# Altium PCB spin5v1_simple.PcbDoc (part 5 of 25)
Units mm, origin at the board's own origin, x right, y up, seen from the top; angles counter-clockwise.
Board outline 220.03 x 233.43 mm, 2 copper layers (TOP, BOTTOM), stack 0.176 mm thick; 1457 components, 4724 nets, 19245 pads, 25289 vias.
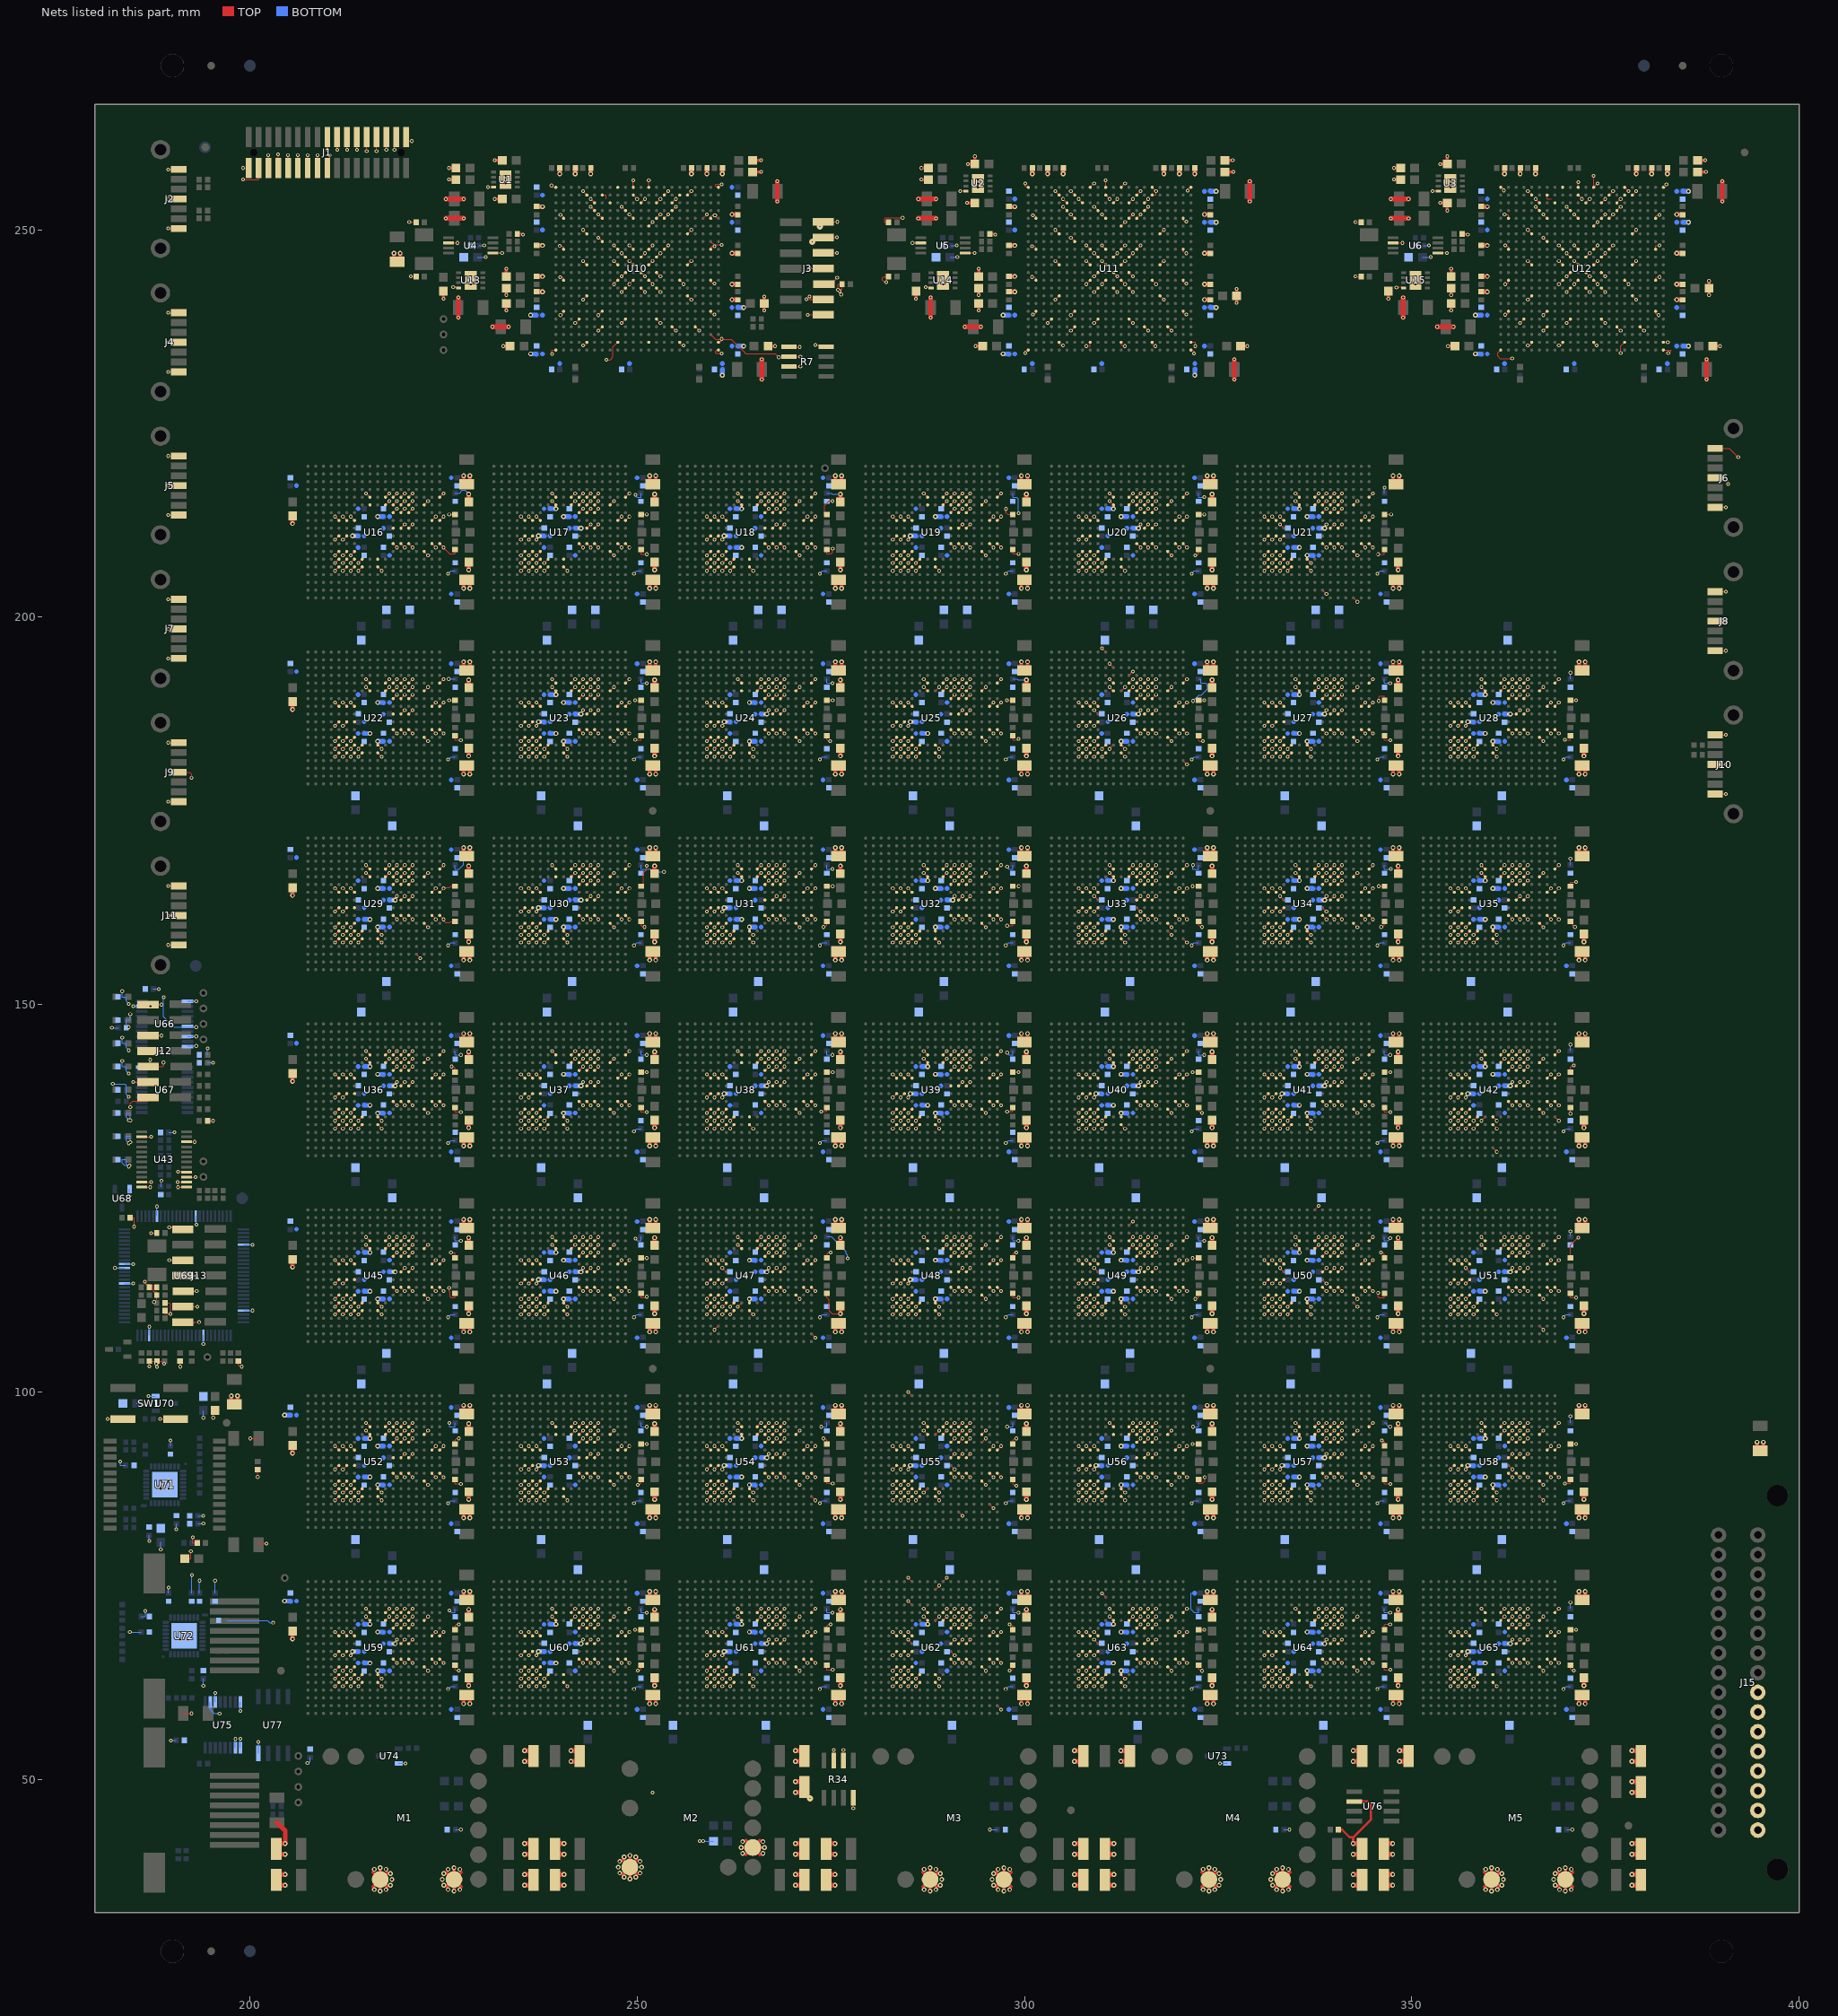
[diagram p5: the nets of this part, all layers, seen from the top]

## Via types
v1: diameter 0.48, hole 0.25, TOP to BOTTOM, 22348 vias
v2: diameter 0.61, hole 0.3, TOP to BOTTOM, 2059 vias
v3: diameter 0.8, hole 0, TOP to BOTTOM, 882 vias

## Nets (pads, with @x,y where several pads share a name; then routed paths per layer and width w, separated by ;. In a path a pad name is that pad's centre, name@x,y a point inside that pad or via, vN(x,y) a via of type N, cw(c..) or ccw(c..) an arc to the next point about the centre after c; other vN are vias at no path point) (continued)
GND: (continued)
  BOTTOM w0.127: v1(182.176,147) 182.97,147 ; v1(182.304,139.767) 183.831,139.767 184.03,139.568 184.03,139 ; v1(182.586,116) U69.15@183.8,116 ; v1(183.258,91) 183.258,90.5 183.97,90.5 ; v1(183.504,142.727) 183.504,142 184.03,142 ; v1(183.504,145.727) 183.504,145 184.03,145 ; v1(183.504,151.727) 183.504,151 184.03,151 ; U69.11@183.8,114 v1(184.917,114) ; U69.16@183.8,116.5 v1(184.917,116.5) ; 184.03,130 183.504,130 183.504,129.551 183.822,129.233 v1(184.45,129.233) ; 184.03,133 184.556,133 v1(184.556,132.233) ; 184.03,136 184.556,136 v1(184.556,135.048) ; 184.03,148 184.556,148 v1(184.556,148.767) ; v1(184.45,125.298) U68.2@184.45,126.19 ; v1(184.497,69) 185.97,69 ; v1(184.933,149.78) U66.19@186.05,149.78 ; 185.4,98.5 v1(186.342,98.5) ; 185.97,71 186.496,71 v1(186.496,71.727) ; U67.10@186.05,141.92 187.017,141.92 187.117,142.02 v1(187.117,142.867) ; v1(186.918,99.45) U70.2@187.81,99.45 ; v1(187,80.758) 187,81.47 ; U69.97@187,107.3 v1(187,108.417) ; 187.53,152 v1(188.242,152) ; U69.31@188,122.7 v1(188,123.931) ; v1(188.5,79.658) 188.5,80.6 ; 188.5,126.53 188.574,126.53 v1(188.574,127.242) ; 189.5,74.03 v1(189.5,74.742) ; 189.53,133.5 v1(190.242,133.5) ; 189.75,93.03 v1(189.75,93.732) ; v1(189.792,55) 190.47,55 ; v1(190.5,82.258) 190.5,82.97 ; U66.10@191.95,144.58 191.95,144.658 v1(193.067,144.658) ; U66.8@191.95,145.88 191.95,145.9 v1(193.067,145.9) ; U66.6@191.95,147.18 191.95,147.1 v1(193.067,147.1) ; U66.1@191.95,150.43 v1(193.067,150.43) ; 192.5,74.03 v1(192.5,76.36) ; U69.41@193,122.7 193.082,122.7 v1(193.082,121.583) ; 193.28,83 v1(193.992,83) ; 193.28,84 v1(193.982,84) ; 193.5,74.03 v1(193.5,75.635) ; v1(194,62.063) 194,62.97 ; v1(194,96.658) 194,97.6 ; v1(194,106.183) U69.83@194,107.3 ; 194.53,142.5 v1(195.232,142.5) ; 194.53,143.5 v1(194.53,144.341) ; U75.2@194.87,59.95 194.87,59.009 195.409,58.47 v1(196.081,58.47) ; 195.5,74.03 v1(195.5,75.635) ; U75.3@195.52,59.95 v1(195.52,61.114) ; 197.03,70.5 202.266,70.5 202.566,70.2 v1(202.997,70.2) ; U75.10@198.12,54.05 v1(198.12,55.199) ; U75.9@198.77,54.05 v1(198.77,55.204) ; v1(198.77,58.799) U75.8@198.77,59.95 ; U69.72@199.2,110.5 v1(200.317,110.5) ; U69.55@199.2,119 v1(200.317,119) ; U77.4@201.09,53.34 v1(201.09,54.807) ; v1(207.421,52.099) 207.599,52.099 207.781,52.281 207.781,52.817 ; U74.2@219.19,52.05 v1(220.082,52.05) ; v1(225.671,192.03) 226.5,192.03 ; v1(225.773,71.8) 225.773,71.744 226.013,71.504 226.5,71.504 226.5,72.03 ; v1(225.773,96) 225.773,95.504 226.5,95.504 226.5,96.03 ; 226.5,120.03 226.5,119.504 v1(227.227,119.504) ; 226.5,144.03 226.5,143.504 v1(227.227,143.504) ; 226.5,168.03 226.5,167.504 227.028,167.504 227.6,168.076 v2(227.6,170.257) ; 226.5,216.03 227.051,216.03 227.424,216.403 227.754,216.403 v2(228.25,215.907) ; 226.53,43.5 v1(227.232,43.5) ; 229.4,246.5 v1(230.456,246.5) ; 229.53,248 v1(230.242,248) ; v1(249.773,119.8) 249.773,119.744 250.013,119.504 250.5,119.504 250.5,120.03 ; v1(249.773,215.8) 249.773,215.744 250.013,215.504 250.5,215.504 250.5,216.03 ; 250.5,72.03 250.5,71.504 v1(251.227,71.504) ; 250.5,96.03 250.5,95.504 v1(251.227,95.504) ; 250.5,144.03 250.5,143.504 v1(251.227,143.504) ; 250.5,168.03 250.5,167.496 251.743,167.496 252.101,167.138 v1(253.465,167.138) ; 250.5,192.03 250.5,191.504 v1(251.227,191.504) ; v1(258.069,42) R202.1@259.85,42 ; v1(273.773,95.504) 274.5,95.504 274.5,96.03 ; 274.5,72.03 274.5,71.504 v1(275.227,71.504) ; 274.5,120.03 275.064,120.03 275.699,119.395 275.699,119.379 277,118.078 277,117.857 277.167,117.69 v1(277.167,117.259) ; 274.5,144.03 274.5,143.504 v1(275.227,143.504) ; 274.5,168.03 274.5,167.504 v1(275.227,167.504) ; 274.5,192.03 274.5,191.504 v1(275.227,191.504) ; 274.5,216.03 275.051,216.03 275.174,215.907 v2(276.25,215.907) ; 290.4,246.5 290.4,246.483 v1(291.342,246.483) ; 290.53,248 v1(291.242,248) ; v1(295.529,43.5) 296.47,43.5 ; v1(297.773,95.504) 298.5,95.504 298.5,96.03 ; v1(297.773,143.8) 297.773,143.744 298.013,143.504 298.5,143.504 298.5,144.03 ; v1(297.773,167.8) 297.773,167.744 298.013,167.504 298.5,167.504 298.5,168.03 ; 298.5,72.03 298.5,71.504 v1(299.227,71.504) ; 298.5,120.03 298.5,119.504 v1(299.227,119.504) ; 298.5,192.03 299.051,192.03 299.174,191.907 v2(300.25,191.907) ; 298.5,216.03 298.5,215.496 298.984,215.496 299.238,215.242 v1(299.238,213.449) ; v1(321.763,189.2) 322.528,189.965 322.864,189.965 323.658,190.759 323.658,191.178 323.34,191.496 322.796,191.496 322.796,192.03 322.5,192.03 ; v1(321.773,95.504) 322.5,95.504 322.5,96.03 ; v1(321.773,168) 321.773,167.504 322.5,167.504 322.5,168.03 ; 321.988,74 321.492,74 321.492,71.949 321.937,71.504 322.5,71.504 322.5,72.03 ; 322.5,120.03 322.5,119.504 v1(323.227,119.504) ; 322.5,144.03 322.5,143.504 v1(323.227,143.504) ; 322.5,216.03 322.5,215.504 v1(323.227,215.504) ; v1(325.26,52.05) U73.2@326.19,52.05 ; 333.53,43.5 v1(334.232,43.5) ; 346.5,72.03 346.5,71.504 v1(347.227,71.504) ; 346.5,96.03 346.796,96.03 346.796,95.744 347.036,95.504 v1(347.227,95.504) ; 346.5,120.03 346.5,119.504 346.987,119.504 347.227,119.744 v1(347.227,119.842) ; 346.5,144.03 346.5,143.504 v1(347.227,143.504) ; 346.5,168.03 346.5,167.504 v1(347.3,167.504) ; 346.5,192.03 346.5,191.504 v1(347.227,191.504) ; 346.5,216.03 v1(346.5,216.732) ; 351.4,246.5 v1(352.456,246.5) ; 351.53,248 v1(352.242,248) ; 370.03,43.5 v1(370.732,43.5) ; 370.5,72.03 v1(370.5,72.846) ; 370.5,96.03 v1(370.5,96.846) ; 370.5,120.03 v1(370.5,120.732) ; 370.5,144.03 v1(370.5,144.846) ; 370.5,168.03 v1(370.5,168.846) ; 370.5,192.03 v1(370.5,192.846)
  BOTTOM w0.61: 206.01,73 206.012,73 ; 206.01,97 206.012,97 ; 206.01,121 206.012,121 ; 206.01,145 206.012,145 ; 206.01,169 206.012,169 ; 206.01,193 206.012,193 ; 206.01,217 206.012,217 ; 213.988,65 213.99,65 ; 213.988,70 213.99,70 ; 213.988,89 213.99,89 ; 213.988,94 213.99,94 ; 213.988,113 213.99,113 ; 213.988,118 213.99,118 ; 213.988,137 213.99,137 ; 213.988,142 213.99,142 ; 213.988,161 213.99,161 ; 213.988,166 213.99,166 ; 213.988,185 213.99,185 ; 213.988,190 213.99,190 ; 213.988,209 213.99,209 ; 213.988,214 213.99,214 ; 214.76,66.5 214.762,66.5 ; 214.76,90.5 214.762,90.5 ; 214.76,114.5 214.762,114.5 ; 214.76,138.5 214.762,138.5 ; 214.76,162.5 214.762,162.5 ; 214.76,186.5 214.762,186.5 ; 214.76,210.5 214.762,210.5 ; 217.238,67.5 217.24,67.5 ; 217.238,91.5 217.24,91.5 ; 217.238,115.5 217.24,115.5 ; 217.238,139.5 217.24,139.5 ; 217.238,163.5 217.24,163.5 ; 217.238,187.5 217.24,187.5 ; 217.238,211.5 217.24,211.5 ; 218.01,64 218.012,64 ; 218.01,69 218.012,69 ; 218.01,88 218.012,88 ; 218.01,93 218.012,93 ; 218.01,112 218.012,112 ; 218.01,117 218.012,117 ; 218.01,136 218.012,136 ; 218.01,141 218.012,141 ; 218.01,160 218.012,160 ; 218.01,165 218.012,165 ; 218.01,184 218.012,184 ; 218.01,189 218.012,189 ; 218.01,208 218.012,208 ; 218.01,213 218.012,213 ; 225.988,59 225.99,59 ; 225.988,74 225.99,74 ; 225.988,83 225.99,83 ; 225.988,98 225.99,98 ; 225.988,107 225.99,107 ; 225.988,122 225.99,122 ; 225.988,131 225.99,131 ; 225.988,146 225.99,146 ; 225.988,155 225.99,155 ; 225.988,170 225.99,170 ; 225.988,179 225.99,179 ; 225.988,194 225.99,194 ; 225.988,203 225.99,203 ; 225.988,218 225.99,218 ; 237.76,234 237.762,234 ; 237.76,239 237.762,239 ; 237.76,250 237.762,250 ; 237.76,254.5 237.762,254.5 ; 237.988,65 237.99,65 ; 237.988,70 237.99,70 ; 237.988,89 237.99,89 ; 237.988,94 237.99,94 ; 237.988,113 237.99,113 ; 237.988,118 237.99,118 ; 237.988,137 237.99,137 ; 237.988,142 237.99,142 ; 237.988,161 237.99,161 ; 237.988,166 237.99,166 ; 237.988,185 237.99,185 ; 237.988,190 237.99,190 ; 237.988,209 237.99,209 ; 237.988,214 237.99,214 ; 238.76,66.5 238.762,66.5 ; 238.76,90.5 238.762,90.5 ; 238.76,114.5 238.762,114.5 ; 238.76,138.5 238.762,138.5 ; 238.76,162.5 238.762,162.5 ; 238.76,186.5 238.762,186.5 ; 238.76,210.5 238.762,210.5 ; 240,232.76 240,232.762 ; 241.238,67.5 241.24,67.5 ; 241.238,91.5 241.24,91.5 ; 241.238,115.5 241.24,115.5 ; 241.238,139.5 241.24,139.5 ; 241.238,163.5 241.24,163.5 ; 241.238,187.5 241.24,187.5 ; 241.238,211.5 241.24,211.5 ; 242.01,64 242.012,64 ; 242.01,69 242.012,69 ; 242.01,88 242.012,88 ; 242.01,93 242.012,93 ; 242.01,112 242.012,112 ; 242.01,117 242.012,117 ; 242.01,136 242.012,136 ; 242.01,141 242.012,141 ; 242.01,160 242.012,160 ; 242.01,165 242.012,165 ; 242.01,184 242.012,184 ; 242.01,189 242.012,189 ; 242.01,208 242.012,208 ; 242.01,213 242.012,213 ; 249,232.76 249,232.762 ; 249.988,59 249.99,59 ; 249.988,74 249.99,74 ; 249.988,83 249.99,83 ; 249.988,98 249.99,98 ; 249.988,107 249.99,107 ; 249.988,122 249.99,122 ; 249.988,131 249.99,131 ; 249.988,146 249.99,146 ; 249.988,155 249.99,155 ; 249.988,170 249.99,170 ; 249.988,179 249.99,179 ; 249.988,194 249.99,194 ; 249.988,203 249.99,203 ; 249.988,218 249.99,218 ; 261,232.76 261,232.762 ; 261.988,65 261.99,65 ; 261.988,70 261.99,70 ; 261.988,89 261.99,89 ; 261.988,94 261.99,94 ; 261.988,113 261.99,113 ; 261.988,118 261.99,118 ; 261.988,137 261.99,137 ; 261.988,142 261.99,142 ; 261.988,161 261.99,161 ; 261.988,166 261.99,166 ; 261.988,185 261.99,185 ; 261.988,190 261.99,190 ; 261.988,209 261.99,209 ; 261.988,214 261.99,214 ; 262.238,235 262.24,235 ; 262.238,240 262.24,240 ; 262.238,251 262.24,251 ; 262.238,255.5 262.24,255.5 ; 262.76,66.5 262.762,66.5 ; 262.76,90.5 262.762,90.5 ; 262.76,114.5 262.762,114.5 ; 262.76,138.5 262.762,138.5 ; 262.76,162.5 262.762,162.5 ; 262.76,186.5 262.762,186.5 ; 262.76,210.5 262.762,210.5 ; 265.238,67.5 265.24,67.5 ; 265.238,91.5 265.24,91.5 ; 265.238,115.5 265.24,115.5 ; 265.238,139.5 265.24,139.5 ; 265.238,163.5 265.24,163.5 ; 265.238,187.5 265.24,187.5 ; 265.238,211.5 265.24,211.5 ; 266.01,64 266.012,64 ; 266.01,69 266.012,69 ; 266.01,88 266.012,88 ; 266.01,93 266.012,93 ; 266.01,112 266.012,112 ; 266.01,117 266.012,117 ; 266.01,136 266.012,136 ; 266.01,141 266.012,141 ; 266.01,160 266.012,160 ; 266.01,165 266.012,165 ; 266.01,184 266.012,184 ; 266.01,189 266.012,189 ; 266.01,208 266.012,208 ; 266.01,213 266.012,213 ; 273.988,59 273.99,59 ; 273.988,74 273.99,74 ; 273.988,83 273.99,83 ; 273.988,98 273.99,98 ; 273.988,107 273.99,107 ; 273.988,122 273.99,122 ; 273.988,131 273.99,131 ; 273.988,146 273.99,146 ; 273.988,155 273.99,155 ; 273.988,170 273.99,170 ; 273.988,179 273.99,179 ; 273.988,194 273.99,194 ; 273.988,203 273.99,203 ; 273.988,218 273.99,218 ; 285.988,65 285.99,65 ; 285.988,70 285.99,70 ; 285.988,89 285.99,89 ; 285.988,94 285.99,94 ; 285.988,113 285.99,113 ; 285.988,118 285.99,118 ; 285.988,137 285.99,137 ; 285.988,142 285.99,142 ; 285.988,161 285.99,161 ; 285.988,166 285.99,166 ; 285.988,185 285.99,185 ; 285.988,190 285.99,190 ; 285.988,209 285.99,209 ; 285.988,214 285.99,214 ; 286.76,66.5 286.762,66.5 ; 286.76,90.5 286.762,90.5 ; 286.76,114.5 286.762,114.5 ; 286.76,138.5 286.762,138.5 ; 286.76,162.5 286.762,162.5 ; 286.76,186.5 286.762,186.5 ; 286.76,210.5 286.762,210.5 ; 289.238,67.5 289.24,67.5 ; 289.238,91.5 289.24,91.5 ; 289.238,115.5 289.24,115.5 ; 289.238,139.5 289.24,139.5 ; 289.238,163.5 289.24,163.5 ; 289.238,187.5 289.24,187.5 ; 289.238,211.5 289.24,211.5 ; 290.01,64 290.012,64 ; 290.01,69 290.012,69 ; 290.01,88 290.012,88 ; 290.01,93 290.012,93 ; 290.01,112 290.012,112 ; 290.01,117 290.012,117 ; 290.01,136 290.012,136 ; 290.01,141 290.012,141 ; 290.01,160 290.012,160 ; 290.01,165 290.012,165 ; 290.01,184 290.012,184 ; 290.01,189 290.012,189 ; 290.01,208 290.012,208 ; 290.01,213 290.012,213 ; 297.988,59 297.99,59 ; 297.988,74 297.99,74 ; 297.988,83 297.99,83 ; 297.988,98 297.99,98 ; 297.988,107 297.99,107 ; 297.988,122 297.99,122 ; 297.988,131 297.99,131 ; 297.988,146 297.99,146 ; 297.988,155 297.99,155 ; 297.988,170 297.99,170 ; 297.988,179 297.99,179 ; 297.988,194 297.99,194 ; 297.988,203 297.99,203 ; 297.988,218 297.99,218 ; 298.76,234 298.762,234 ; 298.76,239 298.762,239 ; 298.76,250 298.762,250 ; 298.76,254 298.762,254 ; 301,232.76 301,232.762 ; 309.988,65 309.99,65 ; 309.988,70 309.99,70 ; 309.988,89 309.99,89 ; 309.988,94 309.99,94 ; 309.988,113 309.99,113 ; 309.988,118 309.99,118 ; 309.988,137 309.99,137 ; 309.988,142 309.99,142 ; 309.988,161 309.99,161 ; 309.988,166 309.99,166 ; 309.988,185 309.99,185 ; 309.988,190 309.99,190 ; 309.988,209 309.99,209 ; 309.988,214 309.99,214 ; 310,232.76 310,232.762 ; 310.76,66.5 310.762,66.5 ; 310.76,90.5 310.762,90.5 ; 310.76,114.5 310.762,114.5 ; 310.76,138.5 310.762,138.5 ; 310.76,162.5 310.762,162.5 ; 310.76,186.5 310.762,186.5 ; 310.76,210.5 310.762,210.5 ; 313.238,67.5 313.24,67.5 ; 313.238,91.5 313.24,91.5 ; 313.238,115.5 313.24,115.5 ; 313.238,139.5 313.24,139.5 ; 313.238,163.5 313.24,163.5 ; 313.238,187.5 313.24,187.5 ; 313.238,211.5 313.24,211.5 ; 314.01,64 314.012,64 ; 314.01,69 314.012,69 ; 314.01,88 314.012,88 ; 314.01,93 314.012,93 ; 314.01,112 314.012,112 ; 314.01,117 314.012,117 ; 314.01,136 314.012,136 ; 314.01,141 314.012,141 ; 314.01,160 314.012,160 ; 314.01,165 314.012,165 ; 314.01,184 314.012,184 ; 314.01,189 314.012,189 ; 314.01,208 314.012,208 ; 314.01,213 314.012,213 ; 321.988,59 321.99,59 ; 321.988,74 321.99,74 ; 321.988,83 321.99,83 ; 321.988,98 321.99,98 ; 321.988,107 321.99,107 ; 321.988,122 321.99,122 ; 321.988,131 321.99,131 ; 321.988,146 321.99,146 ; 321.988,155 321.99,155 ; 321.988,170 321.99,170 ; 321.988,179 321.99,179 ; 321.988,194 321.99,194 ; 321.988,203 321.99,203 ; 321.988,218 321.99,218 ; 322,232.76 322,232.762 ; 323.238,235 323.24,235 ; 323.238,240 323.24,240 ; 323.238,251 323.24,251 ; 323.238,255 323.24,255 ; 333.988,65 333.99,65 ; 333.988,70 333.99,70 ; 333.988,89 333.99,89 ; 333.988,94 333.99,94 ; 333.988,113 333.99,113 ; 333.988,118 333.99,118 ; 333.988,137 333.99,137 ; 333.988,142 333.99,142 ; 333.988,161 333.99,161 ; 333.988,166 333.99,166 ; 333.988,185 333.99,185 ; 333.988,190 333.99,190 ; 333.988,209 333.99,209 ; 333.988,214 333.99,214 ; 334.76,66.5 334.762,66.5 ; 334.76,90.5 334.762,90.5 ; 334.76,114.5 334.762,114.5 ; 334.76,138.5 334.762,138.5 ; 334.76,162.5 334.762,162.5 ; 334.76,186.5 334.762,186.5 ; 334.76,210.5 334.762,210.5 ; 337.238,67.5 337.24,67.5 ; 337.238,91.5 337.24,91.5 ; 337.238,115.5 337.24,115.5 ; 337.238,139.5 337.24,139.5 ; 337.238,163.5 337.24,163.5 ; 337.238,187.5 337.24,187.5 ; 337.238,211.5 337.24,211.5 ; 338.01,64 338.012,64 ; 338.01,69 338.012,69 ; 338.01,88 338.012,88 ; 338.01,93 338.012,93 ; 338.01,112 338.012,112 ; 338.01,117 338.012,117 ; 338.01,136 338.012,136 ; 338.01,141 338.012,141 ; 338.01,160 338.012,160 ; 338.01,165 338.012,165 ; 338.01,184 338.012,184 ; 338.01,189 338.012,189 ; 338.01,208 338.012,208 ; 338.01,213 338.012,213 ; 345.988,59 345.99,59 ; 345.988,74 345.99,74 ; 345.988,83 345.99,83 ; 345.988,98 345.99,98 ; 345.988,107 345.99,107 ; 345.988,122 345.99,122 ; 345.988,131 345.99,131 ; 345.988,146 345.99,146 ; 345.988,155 345.99,155 ; 345.988,170 345.99,170 ; 345.988,179 345.99,179 ; 345.988,194 345.99,194 ; 345.988,203 345.99,203 ; 357.988,65 357.99,65 ; 357.988,70 357.99,70 ; 357.988,89 357.99,89 ; 357.988,94 357.99,94 ; 357.988,113 357.99,113 ; 357.988,118 357.99,118 ; 357.988,137 357.99,137 ; 357.988,142 357.99,142 ; 357.988,161 357.99,161 ; 357.988,166 357.99,166 ; 357.988,185 357.99,185 ; 357.988,190 357.99,190 ; 358.76,66.5 358.762,66.5 ; 358.76,90.5 358.762,90.5 ; 358.76,114.5 358.762,114.5 ; 358.76,138.5 358.762,138.5 ; 358.76,162.5 358.762,162.5 ; 358.76,186.5 358.762,186.5 ; 359.76,234 359.762,234 ; 359.76,239 359.762,239 ; 359.76,250 359.762,250 ; 359.76,254 359.762,254 ; 361.238,67.5 361.24,67.5 ; 361.238,91.5 361.24,91.5 ; 361.238,115.5 361.24,115.5 ; 361.238,139.5 361.24,139.5 ; 361.238,163.5 361.24,163.5 ; 361.238,187.5 361.24,187.5 ; 362,232.76 362,232.762 ; 362.01,64 362.012,64 ; 362.01,69 362.012,69 ; 362.01,88 362.012,88 ; 362.01,93 362.012,93 ; 362.01,112 362.012,112 ; 362.01,117 362.012,117 ; 362.01,136 362.012,136 ; 362.01,141 362.012,141 ; 362.01,160 362.012,160 ; 362.01,165 362.012,165 ; 362.01,184 362.012,184 ; 362.01,189 362.012,189 ; 369.988,59 369.99,59 ; 369.988,83 369.99,83 ; 369.988,107 369.99,107 ; 369.988,131 369.99,131 ; 369.988,155 369.99,155 ; 369.988,179 369.99,179 ; 371,232.76 371,232.762 ; 383,232.76 383,232.762 ; 384.238,235 384.24,235 ; 384.238,240 384.24,240 ; 384.238,251 384.24,251 ; 384.238,255 384.24,255

## Text inside footprints (layer, text, board x,y; h text height)
U33: PIN_NUMBER "J17" at 319.166,163.5 h0.24; PIN_NUMBER "J18" at 320.166,163.5 h0.24; PIN_NUMBER "M17" at 319.166,160.5 h0.24; PIN_NUMBER "M18" at 320.166,160.5 h0.24; PIN_NUMBER "C16" at 318.166,169.5 h0.24; PIN_NUMBER "G17" at 319.166,165.5 h0.24; PIN_NUMBER "B18" at 320.166,170.5 h0.24; PIN_NUMBER "G16" at 318.166,165.5 h0.24; PIN_NUMBER "J16" at 318.166,163.5 h0.24; PIN_NUMBER "C17" at 319.166,169.5 h0.24; PIN_NUMBER "C18" at 320.166,169.5 h0.24; PIN_NUMBER "D16" at 318.166,168.5 h0.24; PIN_NUMBER "K15" at 317.166,162.5 h0.24; PIN_NUMBER "K16" at 318.166,162.5 h0.24; PIN_NUMBER "E18" at 320.166,167.5 h0.24; PIN_NUMBER "F16" at 318.166,166.5 h0.24; PIN_NUMBER "M16" at 318.166,160.5 h0.24; PIN_NUMBER "P14" at 316.166,158.5 h0.24; PIN_NUMBER "N13" at 315.166,159.5 h0.24; PIN_NUMBER "N14" at 316.166,159.5 h0.24; PIN_NUMBER "M12" at 314.166,160.5 h0.24; PIN_NUMBER "M13" at 315.166,160.5 h0.24; PIN_NUMBER "M14" at 316.166,160.5 h0.24; PIN_NUMBER "H12" at 314.166,164.5 h0.24; PIN_NUMBER "H13" at 315.166,164.5 h0.24; PIN_NUMBER "H14" at 316.166,164.5 h0.24; PIN_NUMBER "E6" at 307.854,167.5 h0.24; PIN_NUMBER "E7" at 308.854,167.5 h0.24; PIN_NUMBER "F7" at 308.854,166.5 h0.24; PIN_NUMBER "E8" at 309.854,167.5 h0.24; PIN_NUMBER "F8" at 309.854,166.5 h0.24; PIN_NUMBER "L5" at 306.854,161.5 h0.24; PIN_NUMBER "L6" at 307.854,161.5 h0.24; PIN_NUMBER "L7" at 308.854,161.5 h0.24; PIN_NUMBER "G7" at 308.854,165.5 h0.24; PIN_NUMBER "G5" at 306.854,165.5 h0.24; PIN_NUMBER "G6" at 307.854,165.5 h0.24; PIN_NUMBER "F5" at 306.854,166.5 h0.24; PIN_NUMBER "F6" at 307.854,166.5 h0.24; PIN_NUMBER "E5" at 306.854,167.5 h0.24; PIN_NUMBER "P11" at 313.166,158.5 h0.24; PIN_NUMBER "N11" at 313.166,159.5 h0.24; PIN_NUMBER "P12" at 314.166,158.5 h0.24; PIN_NUMBER "N12" at 314.166,159.5 h0.24; PIN_NUMBER "P13" at 315.166,158.5 h0.24; PIN_NUMBER "K12" at 314.166,162.5 h0.24; PIN_NUMBER "K13" at 315.166,162.5 h0.24; PIN_NUMBER "K14" at 316.166,162.5 h0.24; PIN_NUMBER "E10" at 311.936,167.5 h0.24; PIN_NUMBER "F10" at 311.936,166.5 h0.24; PIN_NUMBER "J5" at 306.854,163.5 h0.24; PIN_NUMBER "J6" at 307.854,163.5 h0.24; PIN_NUMBER "J7" at 308.854,163.5 h0.24; PIN_NUMBER "N9" at 310.854,159.5 h0.24; PIN_NUMBER "P9" at 310.854,158.5 h0.24; PIN_NUMBER "C13" at 315.166,169.5 h0.24; PIN_NUMBER "B13" at 315.166,170.5 h0.24; PIN_NUMBER "A13" at 315.166,171.5 h0.24; PIN_NUMBER "D14" at 316.166,168.5 h0.24; PIN_NUMBER "C14" at 316.166,169.5 h0.24; PIN_NUMBER "B14" at 316.166,170.5 h0.24; PIN_NUMBER "A14" at 316.166,171.5 h0.24; PIN_NUMBER "K17" at 319.166,162.5 h0.24; PIN_NUMBER "K18" at 320.166,162.5 h0.24; PIN_NUMBER "L15" at 317.166,161.5 h0.24; PIN_NUMBER "L16" at 318.166,161.5 h0.24; PIN_NUMBER "V6" at 307.854,154.5 h0.24; PIN_NUMBER "R7" at 308.854,157.5 h0.24; PIN_NUMBER "T5" at 306.854,156.5 h0.24; PIN_NUMBER "U5" at 306.854,155.5 h0.24; PIN_NUMBER "V5" at 306.854,154.5 h0.24; PIN_NUMBER "T4" at 305.854,156.5 h0.24; PIN_NUMBER "U4" at 305.854,155.5 h0.24; PIN_NUMBER "V4" at 305.854,154.5 h0.24; PIN_NUMBER "V3" at 304.854,154.5 h0.24; PIN_NUMBER "T7" at 308.854,156.5 h0.24; PIN_NUMBER "U7" at 308.854,155.5 h0.24; PIN_NUMBER "V7" at 308.854,154.5 h0.24; PIN_NUMBER "R6" at 307.854,157.5 h0.24; PIN_NUMBER "T6" at 307.854,156.5 h0.24; PIN_NUMBER "U6" at 307.854,155.5 h0.24; PIN_NUMBER "R5" at 306.854,157.5 h0.24; PIN_NUMBER "R17" at 319.166,157.5 h0.24; PIN_NUMBER "V18" at 320.166,154.5 h0.24; PIN_NUMBER "P18" at 320.166,158.5 h0.24; PIN_NUMBER "P17" at 319.166,158.5 h0.24; PIN_NUMBER "P16" at 318.166,158.5 h0.24; PIN_NUMBER "N18" at 320.166,159.5 h0.24; PIN_NUMBER "N17" at 319.166,159.5 h0.24; PIN_NUMBER "N16" at 318.166,159.5 h0.24; PIN_NUMBER "N15" at 317.166,159.5 h0.24; PIN_NUMBER "U18" at 320.166,155.5 h0.24; PIN_NUMBER "U17" at 319.166,155.5 h0.24; PIN_NUMBER "T18" at 320.166,156.5 h0.24; PIN_NUMBER "T17" at 319.166,156.5 h0.24; PIN_NUMBER "T16" at 318.166,156.5 h0.24; PIN_NUMBER "R18" at 320.166,157.5 h0.24; PIN_NUMBER "R16" at 318.166,157.5 h0.24; PIN_NUMBER "V12" at 314.166,154.5 h0.24; PIN_NUMBER "R13" at 315.166,157.5 h0.24; PIN_NUMBER "T15" at 317.166,156.5 h0.24; PIN_NUMBER "U15" at 317.166,155.5 h0.24; PIN_NUMBER "V15" at 317.166,154.5 h0.24; PIN_NUMBER "R14" at 316.166,157.5 h0.24; PIN_NUMBER "T14" at 316.166,156.5 h0.24; PIN_NUMBER "U14" at 316.166,155.5 h0.24; PIN_NUMBER "V14" at 316.166,154.5 h0.24; PIN_NUMBER "T13" at 315.166,156.5 h0.24; PIN_NUMBER "U13" at 315.166,155.5 h0.24; PIN_NUMBER "V13" at 315.166,154.5 h0.24; PIN_NUMBER "R12" at 314.166,157.5 h0.24; PIN_NUMBER "T12" at 314.166,156.5 h0.24; PIN_NUMBER "U12" at 314.166,155.5 h0.24; PIN_NUMBER "V16" at 318.166,154.5 h0.24; PIN_NUMBER "V8" at 309.854,154.5 h0.24; PIN_NUMBER "R9" at 310.854,157.5 h0.24; PIN_NUMBER "T11" at 313.166,156.5 h0.24; PIN_NUMBER "U11" at 313.166,155.5 h0.24; PIN_NUMBER "V11" at 313.166,154.5 h0.24; PIN_NUMBER "R10" at 311.936,157.5 h0.24; PIN_NUMBER "T10" at 311.936,156.5 h0.24; PIN_NUMBER "U10" at 311.936,155.5 h0.24; PIN_NUMBER "V10" at 311.936,154.5 h0.24; PIN_NUMBER "T9" at 310.854,156.5 h0.24; PIN_NUMBER "U9" at 310.854,155.5 h0.24; PIN_NUMBER "V9" at 310.854,154.5 h0.24; PIN_NUMBER "R8" at 309.854,157.5 h0.24; PIN_NUMBER "T8" at 309.854,156.5 h0.24; PIN_NUMBER "U8" at 309.854,155.5 h0.24; PIN_NUMBER "R11" at 313.166,157.5 h0.24; PIN_NUMBER "A8" at 309.854,171.5 h0.24; PIN_NUMBER "D9" at 310.854,168.5 h0.24; PIN_NUMBER "C11" at 313.166,169.5 h0.24; PIN_NUMBER "B11" at 313.166,170.5 h0.24; PIN_NUMBER "A11" at 313.166,171.5 h0.24; PIN_NUMBER "D10" at 311.936,168.5 h0.24; PIN_NUMBER "C10" at 311.936,169.5 h0.24; PIN_NUMBER "B10" at 311.936,170.5 h0.24; PIN_NUMBER "A10" at 311.936,171.5 h0.24; PIN_NUMBER "C9" at 310.854,169.5 h0.24; PIN_NUMBER "B9" at 310.854,170.5 h0.24; PIN_NUMBER "A9" at 310.854,171.5 h0.24; PIN_NUMBER "D8" at 309.854,168.5 h0.24; PIN_NUMBER "C8" at 309.854,169.5 h0.24; PIN_NUMBER "B8" at 309.854,170.5 h0.24; PIN_NUMBER "D11" at 313.166,168.5 h0.24; PIN_NUMBER "A3" at 304.854,171.5 h0.24; PIN_NUMBER "D5" at 306.854,168.5 h0.24; PIN_NUMBER "C7" at 308.854,169.5 h0.24; PIN_NUMBER "B7" at 308.854,170.5 h0.24; PIN_NUMBER "A7" at 308.854,171.5 h0.24; PIN_NUMBER "D6" at 307.854,168.5 h0.24; PIN_NUMBER "C6" at 307.854,169.5 h0.24; PIN_NUMBER "B6" at 307.854,170.5 h0.24; PIN_NUMBER "A6" at 307.854,171.5 h0.24; PIN_NUMBER "C5" at 306.854,169.5 h0.24; PIN_NUMBER "B5" at 306.854,170.5 h0.24; PIN_NUMBER "A5" at 306.854,171.5 h0.24; PIN_NUMBER "C4" at 305.854,169.5 h0.24; PIN_NUMBER "B4" at 305.854,170.5 h0.24; PIN_NUMBER "A4" at 305.854,171.5 h0.24; PIN_NUMBER "D7" at 308.854,168.5 h0.24; PIN_NUMBER "C15" at 317.166,169.5 h0.24; PIN_NUMBER "B15" at 317.166,170.5 h0.24; PIN_NUMBER "A15" at 317.166,171.5 h0.24; PIN_NUMBER "B16" at 318.166,170.5 h0.24; PIN_NUMBER "A16" at 318.166,171.5 h0.24; PIN_NUMBER "A17" at 319.166,171.5 h0.24; PIN_NUMBER "A18" at 320.166,171.5 h0.24; PIN_NUMBER "B17" at 319.166,170.5 h0.24; PIN_NUMBER "H16" at 318.166,164.5 h0.24; PIN_NUMBER "H15" at 317.166,164.5 h0.24; PIN_NUMBER "B12" at 314.166,170.5 h0.24; PIN_NUMBER "C12" at 314.166,169.5 h0.24; PIN_NUMBER "A12" at 314.166,171.5 h0.24; PIN_NUMBER "D13" at 315.166,168.5 h0.24; PIN_NUMBER "F17" at 319.166,166.5 h0.24; PIN_NUMBER "F18" at 320.166,166.5 h0.24; PIN_NUMBER "D17" at 319.166,168.5 h0.24; PIN_NUMBER "D18" at 320.166,168.5 h0.24; PIN_NUMBER "E16" at 318.166,167.5 h0.24; PIN_NUMBER "E17" at 319.166,167.5 h0.24; PIN_NUMBER "L12" at 314.166,161.5 h0.24; PIN_NUMBER "L13" at 315.166,161.5 h0.24; PIN_NUMBER "L14" at 316.166,161.5 h0.24; PIN_NUMBER "L17" at 319.166,161.5 h0.24; PIN_NUMBER "L18" at 320.166,161.5 h0.24; PIN_NUMBER "J12" at 314.166,163.5 h0.24; PIN_NUMBER "J13" at 315.166,163.5 h0.24; PIN_NUMBER "J14" at 316.166,163.5 h0.24; PIN_NUMBER "H17" at 319.166,164.5 h0.24; PIN_NUMBER "H18" at 320.166,164.5 h0.24; PIN_NUMBER "G12" at 314.166,165.5 h0.24; PIN_NUMBER "G13" at 315.166,165.5 h0.24; PIN_NUMBER "G14" at 316.166,165.5 h0.24; PIN_NUMBER "F13" at 315.166,166.5 h0.24; PIN_NUMBER "F14" at 316.166,166.5 h0.24; PIN_NUMBER "E14" at 316.166,167.5 h0.24; PIN_NUMBER "E9" at 310.854,167.5 h0.24; PIN_NUMBER "F9" at 310.854,166.5 h0.24; PIN_NUMBER "F11" at 313.166,166.5 h0.24; PIN_NUMBER "E11" at 313.166,167.5 h0.24; PIN_NUMBER "F12" at 314.166,166.5 h0.24; PIN_NUMBER "E12" at 314.166,167.5 h0.24; PIN_NUMBER "E13" at 315.166,167.5 h0.24; PIN_NUMBER "P5" at 306.854,158.5 h0.24; PIN_NUMBER "N6" at 307.854,159.5 h0.24; PIN_NUMBER "N5" at 306.854,159.5 h0.24; PIN_NUMBER "M5" at 306.854,160.5 h0.24; PIN_NUMBER "M6" at 307.854,160.5 h0.24; PIN_NUMBER "M7" at 308.854,160.5 h0.24; PIN_NUMBER "K5" at 306.854,162.5 h0.24; PIN_NUMBER "K6" at 307.854,162.5 h0.24; PIN_NUMBER "K7" at 308.854,162.5 h0.24; PIN_NUMBER "H5" at 306.854,164.5 h0.24; PIN_NUMBER "H6" at 307.854,164.5 h0.24; PIN_NUMBER "H7" at 308.854,164.5 h0.24; PIN_NUMBER "P6" at 307.854,158.5 h0.24; PIN_NUMBER "N7" at 308.854,159.5 h0.24; PIN_NUMBER "P7" at 308.854,158.5 h0.24; PIN_NUMBER "N8" at 309.854,159.5 h0.24; PIN_NUMBER "P8" at 309.854,158.5 h0.24; PIN_NUMBER "P10" at 311.936,158.5 h0.24; PIN_NUMBER "N10" at 311.936,159.5 h0.24; PIN_NUMBER "D12" at 314.166,168.5 h0.24; PIN_NUMBER "G15" at 317.166,165.5 h0.24; PIN_NUMBER "M15" at 317.166,160.5 h0.24; PIN_NUMBER "G18" at 320.166,165.5 h0.24; PIN_NUMBER "R15" at 317.166,157.5 h0.24; PIN_NUMBER "P15" at 317.166,158.5 h0.24; PIN_NUMBER "J15" at 317.166,163.5 h0.24; PIN_NUMBER "F15" at 317.166,166.5 h0.24; PIN_NUMBER "E15" at 317.166,167.5 h0.24; PIN_NUMBER "D15" at 317.166,168.5 h0.24; PIN_NUMBER "V17" at 319.166,154.5 h0.24; PIN_NUMBER "U16" at 318.166,155.5 h0.24; PIN_NUMBER "M3" at 304.854,160.5 h0.24; PIN_NUMBER "M1" at 302.624,160.5 h0.24; PIN_NUMBER "R4" at 305.854,157.5 h0.24; PIN_NUMBER "N2" at 303.854,159.5 h0.24; PIN_NUMBER "F3" at 304.854,166.5 h0.24; PIN_NUMBER "D1" at 302.624,168.5 h0.24; PIN_NUMBER "D4" at 305.854,168.5 h0.24; PIN_NUMBER "D3" at 304.854,168.5 h0.24; PIN_NUMBER "C3" at 304.854,169.5 h0.24; PIN_NUMBER "C2" at 303.854,169.5 h0.24; PIN_NUMBER "C1" at 302.624,169.5 h0.24; PIN_NUMBER "B3" at 304.854,170.5 h0.24; PIN_NUMBER "B2" at 303.854,170.5 h0.24; PIN_NUMBER "V2" at 303.854,154.5 h0.24; PIN_NUMBER "V1" at 302.624,154.5 h0.24; PIN_NUMBER "B1" at 302.624,170.5 h0.24; PIN_NUMBER "U3" at 304.854,155.5 h0.24; PIN_NUMBER "U2" at 303.854,155.5 h0.24; PIN_NUMBER "U1" at 302.624,155.5 h0.24; PIN_NUMBER "T3" at 304.854,156.5 h0.24; PIN_NUMBER "T2" at 303.854,156.5 h0.24; PIN_NUMBER "T1" at 302.624,156.5 h0.24; PIN_NUMBER "R2" at 303.854,157.5 h0.24; PIN_NUMBER "R1" at 302.624,157.5 h0.24; PIN_NUMBER "P4" at 305.854,158.5 h0.24; PIN_NUMBER "P3" at 304.854,158.5 h0.24; PIN_NUMBER "A2" at 303.854,171.5 h0.24; PIN_NUMBER "P2" at 303.854,158.5 h0.24; PIN_NUMBER "P1" at 302.624,158.5 h0.24; PIN_NUMBER "N4" at 305.854,159.5 h0.24; PIN_NUMBER "N3" at 304.854,159.5 h0.24; PIN_NUMBER "F2" at 303.854,166.5 h0.24; PIN_NUMBER "F1" at 302.624,166.5 h0.24; PIN_NUMBER "E4" at 305.854,167.5 h0.24; PIN_NUMBER "E3" at 304.854,167.5 h0.24; PIN_NUMBER "E2" at 303.854,167.5 h0.24; PIN_NUMBER "E1" at 302.624,167.5 h0.24; PIN_NUMBER "A1" at 302.624,171.5 h0.24; PIN_NUMBER "R3" at 304.854,157.5 h0.24; PIN_NUMBER "N1" at 302.624,159.5 h0.24; PIN_NUMBER "F4" at 305.854,166.5 h0.24; PIN_NUMBER "D2" at 303.854,168.5 h0.24; PIN_NUMBER "J4" at 305.854,163.5 h0.24; PIN_NUMBER "J3" at 304.854,163.5 h0.24; PIN_NUMBER "M4" at 305.854,160.5 h0.24; PIN_NUMBER "J1" at 302.624,163.5 h0.24; PIN_NUMBER "J2" at 303.854,163.5 h0.24; PIN_NUMBER "M2" at 303.854,160.5 h0.24; PIN_NUMBER "G1" at 302.624,165.5 h0.24; PIN_NUMBER "G2" at 303.854,165.5 h0.24; PIN_NUMBER "K4" at 305.854,162.5 h0.24; PIN_NUMBER "H2" at 303.854,164.5 h0.24; PIN_NUMBER "L1" at 302.624,161.5 h0.24; PIN_NUMBER "H1" at 302.624,164.5 h0.24; PIN_NUMBER "L2" at 303.854,161.5 h0.24; PIN_NUMBER "G4" at 305.854,165.5 h0.24; PIN_NUMBER "L3" at 304.854,161.5 h0.24; PIN_NUMBER "G3" at 304.854,165.5 h0.24; PIN_NUMBER "L4" at 305.854,161.5 h0.24; PIN_NUMBER "K1" at 302.624,162.5 h0.24; PIN_NUMBER "H4" at 305.854,164.5 h0.24; PIN_NUMBER "K3" at 304.854,162.5 h0.24; PIN_NUMBER "H3" at 304.854,164.5 h0.24; PIN_NUMBER "K2" at 303.854,162.5 h0.24
U34: PIN_NUMBER "M17" at 343.166,160.5 h0.24; PIN_NUMBER "M18" at 344.166,160.5 h0.24; PIN_NUMBER "J17" at 343.166,163.5 h0.24; PIN_NUMBER "J18" at 344.166,163.5 h0.24; PIN_NUMBER "J16" at 342.166,163.5 h0.24; PIN_NUMBER "C17" at 343.166,169.5 h0.24; PIN_NUMBER "C18" at 344.166,169.5 h0.24; PIN_NUMBER "D16" at 342.166,168.5 h0.24; PIN_NUMBER "K15" at 341.166,162.5 h0.24; PIN_NUMBER "K16" at 342.166,162.5 h0.24; PIN_NUMBER "E18" at 344.166,167.5 h0.24; PIN_NUMBER "F16" at 342.166,166.5 h0.24; PIN_NUMBER "M16" at 342.166,160.5 h0.24; PIN_NUMBER "P14" at 340.166,158.5 h0.24; PIN_NUMBER "N13" at 339.166,159.5 h0.24; PIN_NUMBER "N14" at 340.166,159.5 h0.24; PIN_NUMBER "M12" at 338.166,160.5 h0.24; PIN_NUMBER "M13" at 339.166,160.5 h0.24; PIN_NUMBER "M14" at 340.166,160.5 h0.24; PIN_NUMBER "H12" at 338.166,164.5 h0.24; PIN_NUMBER "H13" at 339.166,164.5 h0.24; PIN_NUMBER "H14" at 340.166,164.5 h0.24; PIN_NUMBER "E6" at 331.854,167.5 h0.24; PIN_NUMBER "E7" at 332.854,167.5 h0.24; PIN_NUMBER "F7" at 332.854,166.5 h0.24; PIN_NUMBER "E8" at 333.854,167.5 h0.24; PIN_NUMBER "F8" at 333.854,166.5 h0.24; PIN_NUMBER "L5" at 330.854,161.5 h0.24; PIN_NUMBER "L6" at 331.854,161.5 h0.24; PIN_NUMBER "L7" at 332.854,161.5 h0.24; PIN_NUMBER "G7" at 332.854,165.5 h0.24; PIN_NUMBER "G5" at 330.854,165.5 h0.24; PIN_NUMBER "G6" at 331.854,165.5 h0.24; PIN_NUMBER "F5" at 330.854,166.5 h0.24; PIN_NUMBER "F6" at 331.854,166.5 h0.24; PIN_NUMBER "E5" at 330.854,167.5 h0.24; PIN_NUMBER "P11" at 337.166,158.5 h0.24; PIN_NUMBER "N11" at 337.166,159.5 h0.24; PIN_NUMBER "P12" at 338.166,158.5 h0.24; PIN_NUMBER "N12" at 338.166,159.5 h0.24; PIN_NUMBER "P13" at 339.166,158.5 h0.24; PIN_NUMBER "K12" at 338.166,162.5 h0.24; PIN_NUMBER "K13" at 339.166,162.5 h0.24; PIN_NUMBER "K14" at 340.166,162.5 h0.24; PIN_NUMBER "E10" at 335.936,167.5 h0.24; PIN_NUMBER "F10" at 335.936,166.5 h0.24; PIN_NUMBER "J5" at 330.854,163.5 h0.24; PIN_NUMBER "J6" at 331.854,163.5 h0.24; PIN_NUMBER "J7" at 332.854,163.5 h0.24; PIN_NUMBER "N9" at 334.854,159.5 h0.24; PIN_NUMBER "P9" at 334.854,158.5 h0.24; PIN_NUMBER "B18" at 344.166,170.5 h0.24; PIN_NUMBER "G16" at 342.166,165.5 h0.24; PIN_NUMBER "C16" at 342.166,169.5 h0.24; PIN_NUMBER "G17" at 343.166,165.5 h0.24; PIN_NUMBER "C13" at 339.166,169.5 h0.24; PIN_NUMBER "B13" at 339.166,170.5 h0.24; PIN_NUMBER "A13" at 339.166,171.5 h0.24; PIN_NUMBER "D14" at 340.166,168.5 h0.24; PIN_NUMBER "C14" at 340.166,169.5 h0.24; PIN_NUMBER "B14" at 340.166,170.5 h0.24; PIN_NUMBER "A14" at 340.166,171.5 h0.24; PIN_NUMBER "K17" at 343.166,162.5 h0.24; PIN_NUMBER "K18" at 344.166,162.5 h0.24; PIN_NUMBER "L15" at 341.166,161.5 h0.24; PIN_NUMBER "L16" at 342.166,161.5 h0.24; PIN_NUMBER "A8" at 333.854,171.5 h0.24; PIN_NUMBER "D9" at 334.854,168.5 h0.24; PIN_NUMBER "C11" at 337.166,169.5 h0.24; PIN_NUMBER "B11" at 337.166,170.5 h0.24; PIN_NUMBER "A11" at 337.166,171.5 h0.24; PIN_NUMBER "D10" at 335.936,168.5 h0.24; PIN_NUMBER "C10" at 335.936,169.5 h0.24; PIN_NUMBER "B10" at 335.936,170.5 h0.24; PIN_NUMBER "A10" at 335.936,171.5 h0.24; PIN_NUMBER "C9" at 334.854,169.5 h0.24; PIN_NUMBER "B9" at 334.854,170.5 h0.24; PIN_NUMBER "A9" at 334.854,171.5 h0.24; PIN_NUMBER "D8" at 333.854,168.5 h0.24; PIN_NUMBER "C8" at 333.854,169.5 h0.24; PIN_NUMBER "B8" at 333.854,170.5 h0.24; PIN_NUMBER "D11" at 337.166,168.5 h0.24; PIN_NUMBER "V8" at 333.854,154.5 h0.24; PIN_NUMBER "R9" at 334.854,157.5 h0.24; PIN_NUMBER "T11" at 337.166,156.5 h0.24; PIN_NUMBER "U11" at 337.166,155.5 h0.24; PIN_NUMBER "V11" at 337.166,154.5 h0.24; PIN_NUMBER "R10" at 335.936,157.5 h0.24; PIN_NUMBER "T10" at 335.936,156.5 h0.24; PIN_NUMBER "U10" at 335.936,155.5 h0.24; PIN_NUMBER "V10" at 335.936,154.5 h0.24; PIN_NUMBER "T9" at 334.854,156.5 h0.24; PIN_NUMBER "U9" at 334.854,155.5 h0.24; PIN_NUMBER "V9" at 334.854,154.5 h0.24; PIN_NUMBER "R8" at 333.854,157.5 h0.24; PIN_NUMBER "T8" at 333.854,156.5 h0.24; PIN_NUMBER "U8" at 333.854,155.5 h0.24; PIN_NUMBER "R11" at 337.166,157.5 h0.24; PIN_NUMBER "V6" at 331.854,154.5 h0.24; PIN_NUMBER "R7" at 332.854,157.5 h0.24; PIN_NUMBER "T5" at 330.854,156.5 h0.24; PIN_NUMBER "U5" at 330.854,155.5 h0.24; PIN_NUMBER "V5" at 330.854,154.5 h0.24; PIN_NUMBER "T4" at 329.854,156.5 h0.24; PIN_NUMBER "U4" at 329.854,155.5 h0.24; PIN_NUMBER "V4" at 329.854,154.5 h0.24; PIN_NUMBER "V3" at 328.854,154.5 h0.24; PIN_NUMBER "T7" at 332.854,156.5 h0.24; PIN_NUMBER "U7" at 332.854,155.5 h0.24; PIN_NUMBER "V7" at 332.854,154.5 h0.24; PIN_NUMBER "R6" at 331.854,157.5 h0.24; PIN_NUMBER "T6" at 331.854,156.5 h0.24; PIN_NUMBER "U6" at 331.854,155.5 h0.24; PIN_NUMBER "R5" at 330.854,157.5 h0.24; PIN_NUMBER "R17" at 343.166,157.5 h0.24; PIN_NUMBER "V18" at 344.166,154.5 h0.24; PIN_NUMBER "P18" at 344.166,158.5 h0.24; PIN_NUMBER "P17" at 343.166,158.5 h0.24; PIN_NUMBER "P16" at 342.166,158.5 h0.24; PIN_NUMBER "N18" at 344.166,159.5 h0.24; PIN_NUMBER "N17" at 343.166,159.5 h0.24; PIN_NUMBER "N16" at 342.166,159.5 h0.24; PIN_NUMBER "N15" at 341.166,159.5 h0.24; PIN_NUMBER "U18" at 344.166,155.5 h0.24; PIN_NUMBER "U17" at 343.166,155.5 h0.24; PIN_NUMBER "T18" at 344.166,156.5 h0.24; PIN_NUMBER "T17" at 343.166,156.5 h0.24; PIN_NUMBER "T16" at 342.166,156.5 h0.24; PIN_NUMBER "R18" at 344.166,157.5 h0.24; PIN_NUMBER "R16" at 342.166,157.5 h0.24; PIN_NUMBER "V12" at 338.166,154.5 h0.24; PIN_NUMBER "R13" at 339.166,157.5 h0.24; PIN_NUMBER "T15" at 341.166,156.5 h0.24; PIN_NUMBER "U15" at 341.166,155.5 h0.24; PIN_NUMBER "V15" at 341.166,154.5 h0.24; PIN_NUMBER "R14" at 340.166,157.5 h0.24; PIN_NUMBER "T14" at 340.166,156.5 h0.24; PIN_NUMBER "U14" at 340.166,155.5 h0.24; PIN_NUMBER "V14" at 340.166,154.5 h0.24; PIN_NUMBER "T13" at 339.166,156.5 h0.24; PIN_NUMBER "U13" at 339.166,155.5 h0.24; PIN_NUMBER "V13" at 339.166,154.5 h0.24; PIN_NUMBER "R12" at 338.166,157.5 h0.24; PIN_NUMBER "T12" at 338.166,156.5 h0.24; PIN_NUMBER "U12" at 338.166,155.5 h0.24; PIN_NUMBER "V16" at 342.166,154.5 h0.24; PIN_NUMBER "A3" at 328.854,171.5 h0.24; PIN_NUMBER "D5" at 330.854,168.5 h0.24; PIN_NUMBER "C7" at 332.854,169.5 h0.24; PIN_NUMBER "B7" at 332.854,170.5 h0.24; PIN_NUMBER "A7" at 332.854,171.5 h0.24; PIN_NUMBER "D6" at 331.854,168.5 h0.24; PIN_NUMBER "C6" at 331.854,169.5 h0.24; PIN_NUMBER "B6" at 331.854,170.5 h0.24; PIN_NUMBER "A6" at 331.854,171.5 h0.24; PIN_NUMBER "C5" at 330.854,169.5 h0.24; PIN_NUMBER "B5" at 330.854,170.5 h0.24; PIN_NUMBER "A5" at 330.854,171.5 h0.24; PIN_NUMBER "C4" at 329.854,169.5 h0.24; PIN_NUMBER "B4" at 329.854,170.5 h0.24; PIN_NUMBER "A4" at 329.854,171.5 h0.24; PIN_NUMBER "D7" at 332.854,168.5 h0.24; PIN_NUMBER "C15" at 341.166,169.5 h0.24; PIN_NUMBER "B15" at 341.166,170.5 h0.24; PIN_NUMBER "A15" at 341.166,171.5 h0.24; PIN_NUMBER "B16" at 342.166,170.5 h0.24; PIN_NUMBER "A16" at 342.166,171.5 h0.24; PIN_NUMBER "A17" at 343.166,171.5 h0.24; PIN_NUMBER "A18" at 344.166,171.5 h0.24; PIN_NUMBER "B17" at 343.166,170.5 h0.24; PIN_NUMBER "H16" at 342.166,164.5 h0.24; PIN_NUMBER "H15" at 341.166,164.5 h0.24; PIN_NUMBER "B12" at 338.166,170.5 h0.24; PIN_NUMBER "C12" at 338.166,169.5 h0.24; PIN_NUMBER "A12" at 338.166,171.5 h0.24; PIN_NUMBER "D13" at 339.166,168.5 h0.24; PIN_NUMBER "F17" at 343.166,166.5 h0.24; PIN_NUMBER "F18" at 344.166,166.5 h0.24; PIN_NUMBER "D17" at 343.166,168.5 h0.24; PIN_NUMBER "D18" at 344.166,168.5 h0.24; PIN_NUMBER "E16" at 342.166,167.5 h0.24; PIN_NUMBER "E17" at 343.166,167.5 h0.24; PIN_NUMBER "L12" at 338.166,161.5 h0.24; PIN_NUMBER "L13" at 339.166,161.5 h0.24; PIN_NUMBER "L14" at 340.166,161.5 h0.24; PIN_NUMBER "L17" at 343.166,161.5 h0.24; PIN_NUMBER "L18" at 344.166,161.5 h0.24; PIN_NUMBER "J12" at 338.166,163.5 h0.24; PIN_NUMBER "J13" at 339.166,163.5 h0.24; PIN_NUMBER "J14" at 340.166,163.5 h0.24; PIN_NUMBER "H17" at 343.166,164.5 h0.24; PIN_NUMBER "H18" at 344.166,164.5 h0.24; PIN_NUMBER "G12" at 338.166,165.5 h0.24; PIN_NUMBER "G13" at 339.166,165.5 h0.24; PIN_NUMBER "G14" at 340.166,165.5 h0.24; PIN_NUMBER "F13" at 339.166,166.5 h0.24; PIN_NUMBER "F14" at 340.166,166.5 h0.24; PIN_NUMBER "E14" at 340.166,167.5 h0.24; PIN_NUMBER "E9" at 334.854,167.5 h0.24; PIN_NUMBER "F9" at 334.854,166.5 h0.24; PIN_NUMBER "F11" at 337.166,166.5 h0.24; PIN_NUMBER "E11" at 337.166,167.5 h0.24; PIN_NUMBER "F12" at 338.166,166.5 h0.24; PIN_NUMBER "E12" at 338.166,167.5 h0.24; PIN_NUMBER "E13" at 339.166,167.5 h0.24; PIN_NUMBER "P5" at 330.854,158.5 h0.24; PIN_NUMBER "N6" at 331.854,159.5 h0.24; PIN_NUMBER "N5" at 330.854,159.5 h0.24; PIN_NUMBER "M5" at 330.854,160.5 h0.24; PIN_NUMBER "M6" at 331.854,160.5 h0.24; PIN_NUMBER "M7" at 332.854,160.5 h0.24; PIN_NUMBER "K5" at 330.854,162.5 h0.24; PIN_NUMBER "K6" at 331.854,162.5 h0.24; PIN_NUMBER "K7" at 332.854,162.5 h0.24; PIN_NUMBER "H5" at 330.854,164.5 h0.24; PIN_NUMBER "H6" at 331.854,164.5 h0.24; PIN_NUMBER "H7" at 332.854,164.5 h0.24; PIN_NUMBER "P6" at 331.854,158.5 h0.24; PIN_NUMBER "N7" at 332.854,159.5 h0.24; PIN_NUMBER "P7" at 332.854,158.5 h0.24; PIN_NUMBER "N8" at 333.854,159.5 h0.24; PIN_NUMBER "P8" at 333.854,158.5 h0.24; PIN_NUMBER "P10" at 335.936,158.5 h0.24; PIN_NUMBER "N10" at 335.936,159.5 h0.24; PIN_NUMBER "D12" at 338.166,168.5 h0.24; PIN_NUMBER "G15" at 341.166,165.5 h0.24; PIN_NUMBER "M15" at 341.166,160.5 h0.24; PIN_NUMBER "G18" at 344.166,165.5 h0.24; PIN_NUMBER "R15" at 341.166,157.5 h0.24; PIN_NUMBER "P15" at 341.166,158.5 h0.24; PIN_NUMBER "J15" at 341.166,163.5 h0.24; PIN_NUMBER "F15" at 341.166,166.5 h0.24; PIN_NUMBER "E15" at 341.166,167.5 h0.24; PIN_NUMBER "D15" at 341.166,168.5 h0.24; PIN_NUMBER "V17" at 343.166,154.5 h0.24; PIN_NUMBER "U16" at 342.166,155.5 h0.24; PIN_NUMBER "M3" at 328.854,160.5 h0.24; PIN_NUMBER "M1" at 326.624,160.5 h0.24; PIN_NUMBER "R4" at 329.854,157.5 h0.24; PIN_NUMBER "N2" at 327.854,159.5 h0.24; PIN_NUMBER "F3" at 328.854,166.5 h0.24; PIN_NUMBER "D1" at 326.624,168.5 h0.24; PIN_NUMBER "D4" at 329.854,168.5 h0.24; PIN_NUMBER "D3" at 328.854,168.5 h0.24; PIN_NUMBER "C3" at 328.854,169.5 h0.24; PIN_NUMBER "C2" at 327.854,169.5 h0.24; PIN_NUMBER "C1" at 326.624,169.5 h0.24; PIN_NUMBER "B3" at 328.854,170.5 h0.24; PIN_NUMBER "B2" at 327.854,170.5 h0.24; PIN_NUMBER "V2" at 327.854,154.5 h0.24; PIN_NUMBER "V1" at 326.624,154.5 h0.24; PIN_NUMBER "B1" at 326.624,170.5 h0.24; PIN_NUMBER "U3" at 328.854,155.5 h0.24; PIN_NUMBER "U2" at 327.854,155.5 h0.24; PIN_NUMBER "U1" at 326.624,155.5 h0.24; PIN_NUMBER "T3" at 328.854,156.5 h0.24; PIN_NUMBER "T2" at 327.854,156.5 h0.24; PIN_NUMBER "T1" at 326.624,156.5 h0.24; PIN_NUMBER "R2" at 327.854,157.5 h0.24; PIN_NUMBER "R1" at 326.624,157.5 h0.24; PIN_NUMBER "P4" at 329.854,158.5 h0.24; PIN_NUMBER "P3" at 328.854,158.5 h0.24; PIN_NUMBER "A2" at 327.854,171.5 h0.24; PIN_NUMBER "P2" at 327.854,158.5 h0.24; PIN_NUMBER "P1" at 326.624,158.5 h0.24; PIN_NUMBER "N4" at 329.854,159.5 h0.24; PIN_NUMBER "N3" at 328.854,159.5 h0.24; PIN_NUMBER "F2" at 327.854,166.5 h0.24; PIN_NUMBER "F1" at 326.624,166.5 h0.24; PIN_NUMBER "E4" at 329.854,167.5 h0.24; PIN_NUMBER "E3" at 328.854,167.5 h0.24; PIN_NUMBER "E2" at 327.854,167.5 h0.24; PIN_NUMBER "E1" at 326.624,167.5 h0.24; PIN_NUMBER "A1" at 326.624,171.5 h0.24; PIN_NUMBER "R3" at 328.854,157.5 h0.24; PIN_NUMBER "N1" at 326.624,159.5 h0.24; PIN_NUMBER "F4" at 329.854,166.5 h0.24; PIN_NUMBER "D2" at 327.854,168.5 h0.24; PIN_NUMBER "J4" at 329.854,163.5 h0.24; PIN_NUMBER "J3" at 328.854,163.5 h0.24; PIN_NUMBER "M4" at 329.854,160.5 h0.24; PIN_NUMBER "J1" at 326.624,163.5 h0.24; PIN_NUMBER "J2" at 327.854,163.5 h0.24; PIN_NUMBER "M2" at 327.854,160.5 h0.24; PIN_NUMBER "G1" at 326.624,165.5 h0.24; PIN_NUMBER "G2" at 327.854,165.5 h0.24; PIN_NUMBER "K4" at 329.854,162.5 h0.24; PIN_NUMBER "H2" at 327.854,164.5 h0.24; PIN_NUMBER "L1" at 326.624,161.5 h0.24; PIN_NUMBER "H1" at 326.624,164.5 h0.24; PIN_NUMBER "L2" at 327.854,161.5 h0.24; PIN_NUMBER "G4" at 329.854,165.5 h0.24; PIN_NUMBER "L3" at 328.854,161.5 h0.24; PIN_NUMBER "G3" at 328.854,165.5 h0.24; PIN_NUMBER "L4" at 329.854,161.5 h0.24; PIN_NUMBER "K1" at 326.624,162.5 h0.24; PIN_NUMBER "H4" at 329.854,164.5 h0.24; PIN_NUMBER "K3" at 328.854,162.5 h0.24; PIN_NUMBER "H3" at 328.854,164.5 h0.24; PIN_NUMBER "K2" at 327.854,162.5 h0.24